# Altium PCB mxiot.PcbDoc (part 3 of 3)
Units mil, origin at the board's own origin, x right, y up, seen from the top; angles counter-clockwise.
Board outline 2300 x 800 mil, 6 copper layers (L1, L2, L3, L4, L5, L6), stack 41.854 mil thick; 97 components, 151 nets, 730 pads, 449 vias.
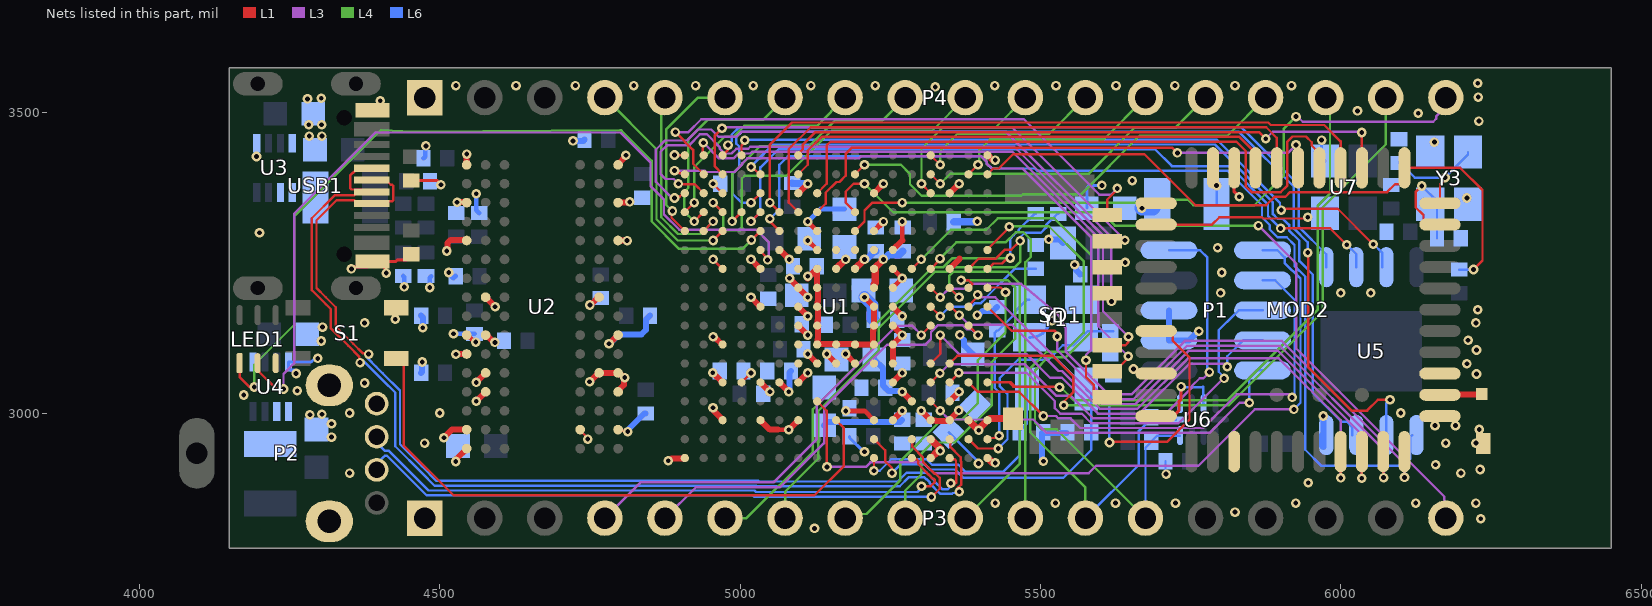
[diagram p7: the nets of this part, all layers, seen from the top]

## Via types
v1: diameter 16, hole 8, L1 to L6, tented both sides, 437 vias
v2: diameter 19.68, hole 7.87, L1 to L6, 12 vias

## Nets (pads, with @x,y where several pads share a name; then routed paths per layer and width w, separated by ;. In a path a pad name is that pad's centre, name@x,y a point inside that pad or via, vN(x,y) a via of type N, cw(c..) or ccw(c..) an arc to the next point about the centre after c; other vN are vias at no path point) (continued)
GND: ANT2.2 C1.1 C2.1 C3.1 C4.1 C5.1 C6.1 C7.1 C8.1 C9.1 C10.1 C11.1 C12.1 C13.1 C14.1 C15.1 C16.1 C17.1 C18.1 C19.1 C20.1 C21.1 C22.1 C23.1 C24.1 C25.1 C26.1 C27.1 C28.1 C29.1 C30.1 C31.1 C32.1 C33.1 C34.1 C35.1 C36.1 C37.1 C38.1 C39.1 C41.1 C42.1 C43.1 C44.1 C45.1 C46.1 C47.1 C48.1 C50.1 C51.1 C52.1 C53.1 C54.1 C60.1 C62.1 C63.1 LED1.3 MOD2.1 MOD2.3 MOD2.20 MOD2.31 MOD2.33 MOD2.36 P1.3 P1.5 P2.4 P2.MH1 P2.MH2 P3.1 P4.1 R1.2 R2.2 R3.1 R4.1 R5.1 R7.1 R8.2 R9.1 R10.1 R11.1 R18.1 S1.3 SD1.6 SD1.10 U1.A1 U1.A17 U1.C3 U1.C7 U1.C11 U1.C15 U1.E8 U1.E11 U1.F6 U1.F7 U1.F8 U1.F9 U1.F10 U1.F11 U1.F12 U1.G3 U1.G5 U1.G7 U1.G12 U1.G15 U1.H7 U1.H12 U1.J5 U1.J7 U1.J12 U1.K7 U1.K12 U1.L3 U1.L7 U1.L12 U1.M7 U1.M8 U1.M9 U1.M10 U1.M11 U1.M12 U1.N3 U1.N5 U1.N7 U1.P15 U1.R3 U1.R5 U1.R7 U1.R11 U1.R16 U1.R17 U1.T14 U1.U1 U1.U14 U1.U17 U2.A9 U2.B1 U2.B3 U2.B9 U2.D1 U2.D8 U2.E1 U2.E2 U2.E8 U2.F9 U2.G1 U2.G8 U2.G9 U2.J2 U2.J8 U2.M1 U2.M9 U2.P1 U2.P9 U2.T1 U2.T9 U3.5 U3.8 U4.5 U4.8 U5.4 U6.1 U6.3 U7.2 USB1.A1-B12 USB1.B1-A12 Y1.2 Y1.4 Y3.2 Y3.4 | length 3409
  L1 w4: U2.B3@4733.99,2972.28 4733.99,2970.74 4746.67,2958.06 v1(4746.67,2956.53) ; U2.J2@4765.49,3189.51 U2.J2@4765.49,3192.75 ; U2.B1@4796.98,2972.28 4798.62,2970.64 4811.36,2970.64 v1(4813,2969) ; U2.G1@4796.98,3128.77 U2.G1@4796.98,3129.76 ; v1(4891,3429.49) 4891.26,3429.23 4907.77,3429.23 U1.A1@4908.03,3428.97 ; v1(4954.66,3067.12) v1(4954.66,3067.12) ; v1(4955.28,3127) 4956.65,3127 v1@4957.11,3126.54 ; v1(4955.28,3255.74) U1.G3@4971.02,3239.99 ; v1(4955.28,3381.72) U1.C3@4971.02,3365.98 ; SD1.6@5611.24,3242.8 5619.26,3250.83 v1(5641.29,3250.83)
  L1 w5: v1(4353,3240) 4355.7,3242.7 4378.76,3242.7 USB1.B1-A12@4388.07,3252.02 USB1.B1-A12@4391.98,3252.02 ; USB1.A1-B12@4388.07,3503.98 4391.69,3503.98 4401,3513.3 v1(4401,3520) ; v1(4411,3233) ccw(c4391.98,3233) USB1.B1-A12@4391.98,3252.02 ; R9.1@4453,3264.32 4443.69,3255 4429.4,3255 4426.42,3252.02 USB1.B1-A12@4391.98,3252.02 ; R11.1@4453,3387.32 4495.69,3387.32 4502,3381 v1(4502,3380) ; v1@5655.22,3073 v1(5654.98,3073.25) 5657.8,3073.25 5672,3059.05 5672,3058.92 5678.78,3065.7 MOD2.31@5692.78,3065.7 ; MOD2.33@5692.78,2994.83 5721.36,2994.83 5730.52,3004 5730.52,3018.92 5733.73,3022.12 5733.73,3043.43 v1(5734.34,3044.04) v1@5734.34,3045.66 ; MOD2.20@5822.7,3408.22 5822.7,3368.3 v1(5831,3360)
  L1 w8: U2.G9@4545.02,3129.76 4546.63,3129.76 4558.39,3118 v1(4560,3118) ; 5063.39,2972.28 v1(5081.26,2972.28) ; v1(5112.76,3287.24) U1.F8@5128.5,3271.49 ; v1(5112.76,3318.73) U1.E8@5128.5,3302.98 ; v1(5176,3003.52) 5207.5,3003.52 U1.R11@5222.99,2988.02 ; U1.H12@5254.49,3208.5 v1(5270.24,3224.24) U1.G12@5254.49,3239.99 ; 5270.24,3287.24 v1(5270.24,3318.73)
  L1 w10: v1(4426,3156) 4426,3173.63 S1.3@4427.69,3175.32 ; v1(4507,2959) 4520.28,2972.28 U2.B9@4545.02,2972.28 ; v1(4511.88,3269.73) 4513.19,3271.05 4513.19,3283.29 4517.9,3288 4544.25,3288 U2.M9@4545.02,3287.24 ; v1(4526.87,2919.28) 4528.02,2920.43 4528.02,2923.78 U2.A9@4545.02,2940.78 ; v1(4527,3098) 4544.76,3098 U2.F9@4545.02,3098.26 ; v1(4529,3351) 4544.24,3351 U2.P9@4545.02,3350.23 ; U2.T9@4545.02,3413.22 v1(4545,3431) ; v1(4560.76,3019.52) U2.D8@4576.51,3035.27 ; v1(4560.76,3051.02) U2.E8@4576.51,3066.76 ; U2.G8@4576.51,3129.76 4578.17,3129.76 4589.14,3118.79 4590.86,3118.79 v1(4592.01,3117.64) ; U2.J8@4576.51,3192.75 v1(4592.26,3177) ; v1(4749.6,3051.98) 4750.15,3051.98 4764.93,3066.76 U2.E2@4765.49,3066.76 U2.E1@4796.98,3066.76 4798.65,3066.76 4806.41,3059 v1(4808,3059) 4806.85,3057.85 4806.85,3046.8 4796.98,3036.93 U2.D1@4796.98,3035.27 ; v1(4750.13,3179.78) 4751.33,3179.78 4764.3,3192.75 U2.J2@4765.49,3192.75 ; v1(4781.92,3115.42) 4782.29,3115.42 4795.64,3128.77 U2.G1@4796.98,3128.77 ; U2.M1@4796.98,3287.24 4797.09,3287.13 4812.01,3287.13 v1(4812.12,3287.02) ; U2.P1@4796.98,3350.23 4797.59,3350.84 4815.84,3350.84 v1(4816.44,3351.44) ; U2.T1@4796.98,3413.22 4796.98,3414.6 4810.1,3427.72 v1(4810.1,3429.1) ; v1(4880.69,2920.7) 4882.31,2920.7 4886.14,2924.53 4907.53,2924.53 U1.U1@4908.03,2925.03 ; v1@4954.79,3067.12 4970.89,3051.02 U1.N3@4971.02,3051.02 ; v1(4955.03,3008.73) 4956.18,3007.58 4956.18,3003.89 4971.02,2989.05 U1.R3@4971.02,2988.02 ; v1@4956.42,3125.85 4958.16,3125.85 4970,3114.01 U1.L3@4971.02,3114.01 ; v1(5018.27,3192.75) U1.J5@5034.02,3177 U1.J5@5032.99,3177 ; v1(5018.27,3255.74) U1.G5@5034.02,3239.99 ; U1.R5@5034.02,2988.02 5049.76,2972.28 5063.39,2972.28 ; U1.N5@5034.02,3051.02 v1(5049.76,3035.27) ; U1.F6@5065.51,3271.49 5065.86,3271.49 5081.65,3255.69 v1(5082,3255.69) ; v1(5081.26,2972.28) U1.R7@5097.01,2988.02 ; v1(5082.51,3224.24) 5082.51,3223.62 5097.01,3209.12 U1.H7@5097.01,3208.5 v1(5112.76,3192.75) ; U1.N7@5097.01,3051.02 v1(5112.76,3066.76) ; U1.K7@5097.01,3145.5 v1(5112.76,3129.76) ; U1.J7@5097.01,3177 v1(5112.76,3161.25) ; U1.C7@5097.01,3365.98 v1(5112.76,3381.72) ; v1(5112.76,3098.26) U1.M8@5128.5,3082.51 ; v1(5144.25,3098.26) U1.M9@5160,3082.51 ; v1(5175.75,3098.26) U1.M10@5191.5,3082.51 ; U1.E11@5222.99,3302.98 v1(5238.74,3318.73) ; U1.C11@5222.99,3365.98 v1(5238.74,3381.72) ; U1.M12@5254.49,3082.51 U1.L12@5254.49,3114.01 v1(5270.24,3129.76) U1.K12@5254.49,3145.5 ; U1.J12@5254.49,3177 v1(5270.24,3161.25) ; U1.F12@5254.49,3271.49 5270.24,3287.24 ; U1.P15@5348.98,3019.52 v1(5364.72,3035.27) ; U1.G15@5348.98,3239.99 5365,3256.02 5365,3257 ; U1.C15@5348.98,3365.98 v1(5364.72,3381.72) ; U1.A17@5411.97,3428.97 5412.99,3428.97 5420.96,3421 v1(5425,3421)
  L1 w12: U1.U14@5317.48,2925.03 5317.96,2925.03 5329.17,2936.23 5332.46,2936.23 v1(5333.23,2937) ; U1.T14@5317.48,2956.53 v1@5333.23,2940.78 ; U1.R16@5380.47,2988.02 v1@5396.22,2972.28 ; v1(5397.3,2971.19) v1@5396.22,2972.28 ; U1.U17@5411.97,2925.03 5412.45,2925.03 5419.72,2917.77 5424.23,2917.77 v1(5425,2917) ; SD1.10@5454.74,2990.83 5415.26,2990.83 5412.45,2988.02 U1.R17@5411.97,2988.02 v1@5396.22,2972.28
  L6 w4: v1@5394.5,3318.5 v1(5395,3319) ; v1@5503,2923 5505,2921 v1(5505,2919.78) ; C21.1@5708.32,2920 5708.32,2899.32 v1(5709.32,2898.32) ; U6.1@5732.47,3015.57 v1@5732.47,3038.47 ; v1@5737,3043 5770,3043 5771,3044 5771.42,3043.58 5771.42,3016 U6.3@5771.84,3015.57
  L6 w5: v1@4261.12,3066 v1(4261,3065.88) 4261,3068.86 4258.07,3071.79 4258.07,3072 4251.93,3072 4248.53,3075.41 U4.8@4248.53,3085.14 4286.14,3085.14 4291,3090 4295.98,3090 v1(4296.98,3091) ; C51.1@5182.32,2961 5182.32,2959.03 5205.83,2935.52 v1(5207.21,2935.52) v1@5207,2935.73 ; C15.1@5347.73,2967.73 5397,2918.46 v1(5397.05,2915.97) v1(5397.05,2915.97) v1@5395.08,2914 ; Y1.2@5481.74,3125.87 5483.87,3125.87 ccw(c5483.87,3158) 5515.75,3154 v1(5519,3154) ccw(c5519,3156) v1@5521,3156 ; C10.1@5577.5,3341 5577.5,3375.5 5581.01,3379 v1(5602.37,3379) ; v1@5967.35,3454.35 v1(5968.13,3454.35) 5968.13,3439.26 5961,3432.13 U7.2@5973.87,3419.26
  L6 w8: R7.1@4439.27,3227.94 4441,3226.21 v1(4441,3210) ; C30.1@4473.32,3424 4476,3426.68 4476,3443.56 v1(4477.08,3444.65) v1@4477.08,3444.92 ; v1(4483.48,3209) 4483.48,3225.16 C39.1@4486,3227.68 ; v1(4515.18,3234) 4515.18,3232.42 4523,3224.61 4526.39,3228 R3.1@4526.7,3227.7 ; v1(4523,3132) R5.1@4557.87,3132 ; v1(4561,3365) 4561,3337.77 R1.2@4566.02,3332.74 ; v1(5112.76,3318.73) 5133.52,3339.5 C3.1@5174,3339.5
  L6 w10: C35.1@4469.32,3067 4471,3068.68 v1(4471,3085) ; C34.1@4469.32,3162 4472,3159.32 v1(4472,3142) ; v1(4722,3453) 4739.31,3453 R4.1@4741.31,3455 ; v1(4781.92,3115.42) 4783.3,3115.42 4798.87,3131 4836,3131 4843.23,3138.23 4843.23,3155.39 C29.1@4850.04,3162.2 ; v1(4813,2969) 4814.15,2970.15 4814.15,2972.51 4841.04,2999.4 C33.1@4843.01,2999.4 ; v1(5366,3130) 5366,3128.38 5372.81,3121.57 5372.81,3112.68 C13.1@5387.5,3098 ; v1(5395,3163) 5396.62,3163 5403.5,3169.87 5421.19,3169.87 C44.1@5428,3176.68 ; v1@5503,2923 5502.68,2923.32 5502.68,2967 C45.1@5543.31,2967 ; v1(5514,3289) 5531.47,3289 C47.1@5537.47,3283 ; v1(5557,3247) 5559.5,3244.5 5559.5,3237.81 C48.1@5566.32,3231 ; P1.5@5714.13,3171 P1.3@5714.13,3121 5747.65,3121 5762.65,3136 v1(5763.9,3136) ; U5.4@5969,2963.24 5969,2945.27 5971,2943.27 v1(5971,2995)
  L6 w12: C60.1@5087,3382.68 5087.48,3382.2 5112.28,3382.2 v1(5112.76,3381.72) ; C62.1@5355.68,3318 5356.18,3318.5 v1@5394.5,3318.5
  other v1: 5124,2808 6233,2824 5824,2835 5425,2850 5525,2850 5625,2850 5725,2850 5925,2850 6125,2850 6225,2850 5946,2884 4350,2900 6200,2900 6232,2906 6158,2914 4475,2950 6175,2950 6225,2950 4320,2960 6230.48,2972.53 6157,2979 6191,2979 4320,2982 4284,2997 4304,2998 4350,3000 4500,3000 6100,3000 4174,3030 4263,3037 4375,3050 6226,3065 6210,3082 6226,3105 4303,3120 6212,3121 4305,3143 4375,3150 6225,3150 6228,3172 5800,3200 6000,3200 6050,3200 5802,3234 5795,3275 4200,3300 6210,3358 5653,3387 4195,3427 6156,3451 4283,3461 4304,3461 4282,3480 4303.51,3479.77 6230,3486 6129,3499 6028,3503 4280,3523 4303,3524 6229,3526 5325,3543 4527,3545 4627,3545 4726,3545 4823,3545 4926,3545 5022,3545 5118,3545 5225,3545 5424,3545 5526,3545 5626,3545 5724,3545 5824,3545 5918,3545 6228,3549
I2C1_SCL/UART4_TX: P3.6 R14.1 U1.G17 | length 855.4
  L1 w4: U1.G17@5411.97,3239.99 5412.54,3239.43 5421.99,3248.88 5436.2,3248.88 5445.31,3258 v1(5450,3258)
  L4 w4: P3.6@4975,2825 5010.8,2825 5121,2935.2 5121,3006 5218,3103 5218,3140.13 5320.87,3243 5338.8,3243 5353.8,3258 v1(5450,3258)
  L6 w4: v1(5450,3258) 5450,3284.2 5450,3290.2 5455.8,3296 5464,3304.2 5464,3305.28 5490.03,3331.32 R14.1@5492,3331.32
I2C1_SDA/UART4_RX: P3.7 R15.1 U1.G16 | length 893.5
  L1 w4: U1.G16@5380.47,3239.99 5397.48,3257 5426.2,3257 5441.2,3272 5451.6,3272 v1(5466.22,3286.62)
  L4 w4: P3.7@5075,2825 5075,2869 5130,2924 5130,3003 5231,3104 5231,3141.81 5324.19,3235 5343.69,3235 5351.69,3243 5457.8,3243 5466.22,3251.42 v1(5466.22,3286.62)
  L6 w4: v1(5466.22,3286.62) 5465.38,3286.62 5463,3289 5474,3300 5500.82,3300 5509.52,3308.7 5509.52,3312.8 5528.03,3331.32 R15.1@5530,3331.32
I2C2_SCL: P3.12 R16.1 U1.F17 U6.10 | length 978.1
  L1 w4: U1.F17@5411.97,3271.49 5411.97,3272.63 5448.2,3308.86 v1(5448.2,3310)
  L4 w4: v1(5448.2,3310) 5449.2,3311 5514,3311 5572,3253 5572,3133.69 5540.31,3102 5510.69,3102 5483,3074.31 5483,2968 5575,2876 P3.12@5575,2825
  L6 w4: P3.12@5575,2825 5664,2914 5664,2970.35 5684.69,2991.03 R16.1@5684.69,2993 5688.69,2989 U6.10@5725.58,2989
I2C2_SDA: P3.13 R17.1 U1.G13 U6.9 | length 1131.8
  L1 w4: U1.G13@5285.98,3239.99 v1(5301.73,3255.74)
  L4 w4: v1(5301.73,3255.74) 5350.99,3305 5410,3305 5429,3324 5523,3324 5585,3262 5585,3135.37 5542.63,3093 5513,3093 5491,3071 5491,2984 5502,2973 5527,2973 5667,2833 5667,2825 P3.13@5675,2825
  L6 w4: P3.13@5675,2825 5675,2942.32 R17.1@5684.69,2952 5684.69,2952.61 5694.5,2962.43 U6.9@5732.47,2962.43
I2S_MCLK: P4.4 U1.E3 | length 369.2
  L1 w4: v1(4955.28,3287.24) U1.E3@4971.02,3302.98
  L4 w4: P4.4@4775,3525 4861,3439 4861,3322.69 4896.45,3287.24 v1(4955.28,3287.24)
I2S_RX: P4.7 U1.D2 | length 361.7
  L1 w4: v1(4923.78,3319) 4923.91,3319 4939.39,3334.48 U1.D2@4939.53,3334.48
  L4 w4: v1@4922,3316.95 4923.78,3318.73 4923.78,3319.22 4923.29,3319.22 4907,3335.51 4907,3368 4914,3375 4914,3456 4946,3488 5038,3488 P4.7@5075,3525
I2S_RX_BCLK: P4.6 U1.E1 | length 303
  L1 w4: v1(4887.4,3336.4) 4886,3335 4886,3325.02 U1.E1@4908.03,3302.98
  L4 w4: v1(4887.4,3336.4) 4877,3346.8 4877,3472 4930,3525 P4.6@4975,3525
I2S_RX_SYNC: P4.5 U1.E2 | length 330.8
  L1 w4: U1.E2@4939.53,3302.98 4955.28,3318.73 v1(4955.28,3319)
  L4 w4: P4.5@4875,3525 4869,3519 4869,3326 4897,3298 4934.54,3298 4955.28,3318.73 v1(4955.28,3319)
I2S_TX: P4.8 U1.D1 | length 380.7
  L1 w4: U1.D1@4908.03,3334.48 v1(4923.78,3350.23)
  L4 w4: v1(4923.78,3350.23) 4924,3350.45 4924,3376 ; 4923.78,3376 4923.78,3409.58 4974.2,3460 4989,3460 5007,3478 5128,3478 P4.8@5175,3525
I2S_TX_BCLK: P4.10 U1.D3 | length 615.4
  L1 w4: v1(4955.28,3350.23) U1.D3@4971.02,3334.48
  L4 w4: v1(4955.28,3350.23) 4955.28,3349.72 4955.78,3349.72 4972,3333.5 4972,3310 4978,3304 5000,3304 5003,3307 5003,3390 5008,3395 5077.31,3395 5152.31,3470 5320,3470 P4.10@5375,3525
I2S_TX_SYNC: P4.9 U1.D4 | length 441.9
  L1 w4: v1(4986.77,3319) 4986.91,3319 5002.39,3334.48 U1.D4@5002.52,3334.48
  L4 w4: v1(4986.77,3319) 4986.77,3397.77 5033,3444 5115,3444 5158,3487 5237,3487 P4.9@5275,3525
JTAG_TCK: P1.4 U1.M14 | length 710
  L1 w4: U1.M14@5317.48,3082.51 5333.23,3098.26 v1(5333.23,3129.76)
  L3 w4: v1(5333.23,3129.76) 5364.72,3098.26 5476.71,3098.26 5516.18,3058.79 5535.89,3058.79 5595.69,2999 5665.05,2999 5748.11,3082.05 5806.78,3082.05 5810.99,3077.84 v1(5810.99,3077)
  L6 w4: v1(5810.99,3077) 5810.99,3094.4 5837.59,3121 P1.4@5869.87,3121
JTAG_TDI: P1.8 U1.N16 | length 826.3
  L1 w4: U1.N16@5380.47,3051.02 5396.22,3035.27 5464.73,3035.27 v1(5505,2995)
  L3 w4: v1(5505,2995) 5525.89,2995 5529.89,2991 5550.33,2991 5566.33,2975 5770.8,2975 5826.8,3031 5914,3031 v1(5919,3026)
  L6 w4: P1.8@5869.87,3221 5890.79,3221 5923.12,3188.67 5923.12,3030.12 v1(5919,3026)
JTAG_TDO: P1.6 U1.N15 | length 707.6
  L1 w4: U1.N15@5348.98,3051.02 5363.97,3066.01 v1(5363.97,3066.94) v1@5363.55,3067.37
  L3 w4: v1(5363.97,3066.94) 5476.83,3066.94 5524,3019.77 5524,3008.2 5533.2,2999 5568.8,2999 5584.8,2983 5729.8,2983 5804.47,3057.68 v1(5805.83,3057.68)
  L6 w4: v1(5805.83,3057.68) 5805.83,3059.78 5796.99,3068.63 5796.99,3137.99 5822.97,3163.97 5823.55,3163.97 5830.58,3171 P1.6@5869.87,3171
JTAG_TMS: P1.2 U1.P14 | length 641.8
  L1 w4: U1.P14@5317.48,3019.52 v1(5333.23,3003.77)
  L3 w4: v1(5333.23,3003.77) 5347.84,2989.16 5488.05,2989.16 5510.21,2967 5781.7,2967 5831.7,3017 v1(5848,3017)
  L6 w4: v1(5848,3017) 5848,3059.03 5859.97,3071 P1.2@5869.87,3071
JTAG_TRST: P1.9 U1.N14 | length 808.5
  L1 w4: U1.N14@5317.48,3051.02 v1(5332.78,3066.31)
  L3 w4: v1(5332.78,3066.31) 5347.41,3080.94 5474.14,3080.94 5526.14,3028.94 5550.17,3028.94 5588.11,2991 5701.1,2991 5752.67,3042.57 5752.67,3045.47 5765.2,3058 5771.4,3058 v1(5781.45,3068.05)
  L6 w4: P1.9@5714.13,3271 5766,3271 5778,3259 5778,3071.5 v1(5781.45,3068.05)
LED_CLK: LED1.2 U1.F5 | length 1377.6
  L1 w4: LED1.2@4197,3083 4197,3071.27 4228.27,3040 v1(4240,3040) ; U1.F5@5034.02,3271.49 5034.02,3269.22 5045.98,3257.25 v1(5045.98,3254.98)
  L3 w4: v1(4240,3040) 4240,3065 4258,3083 4258,3331.91 4393.09,3467 4801,3467 4851,3417 4851,3378 4873.4,3355.6 4873.4,3330.6 4899,3305 5027,3305 5048,3284 5048,3257 v1(5045.98,3254.98)
LED_DAT: LED1.1 U1.E5 | length 1354.3
  L1 w4: LED1.1@4167,3083 4167.5,3082.5 4167.5,3059.4 4183.48,3043.42 v1(4191.27,3043.42) ; v1(5019,3288) U1.E5@5034.02,3302.98
  L4 w4: v1(4191.27,3043.42) 4191.27,3080.27 4258,3147 4258,3327 4400.83,3469.83 cw(c4403.66,3467) 4403.91,3470.99 4456.21,3468.02 ccw(c4457,3482) 4457.12,3468 4800.29,3471 cw(c4800.34,3467) 4803.17,3469.83 4853,3420 4853,3318.8 4898.56,3273.24 5004.24,3273.24 v1(5019,3288)
NetANT2_1: ANT2.1 MOD2.2 | length 69.1
  L1 w10: MOD2.2@6165.22,3030.27 6166.03,3031.08 ANT2.1@6234.03,3031.08
NetC10_2: C10.2 L3.2 MOD2.23 | length 18.6
  L6 w25: v1(5669,3341) L3.2@5687.59,3341
NetC22_2: C22.2 MOD2.11 Y3.3 | length 191
  L1 w4: MOD2.11@6165.22,3349.17 6165.22,3380.52 6173.54,3388.83 v1(6173.54,3392)
  L6 w4: C22.2@6097,3416.31 6098.97,3416.31 6123.28,3392 v1(6173.54,3392) 6211.86,3430.32 Y3.3@6211.86,3434.26
NetC23_2: C23.2 MOD2.10 Y3.1 | length 194.6
  L1 w4: v1(6135,3378) 6124.77,3367.77 6124.77,3342.6 6137.8,3329.57 6137.8,3320.98 6145.05,3313.73 MOD2.10@6165.22,3313.73
  L6 w4: v1(6135,3378) 6160.31,3352.69 C23.2@6160.31,3291
NetL1_1: L1.1 U3.1 U3.2
NetL2_1: L2.1 U4.1 U4.2
NetL3_1: L3.1 MOD2.21 | length 30.6
  L6 w4: L3.1@5793.41,3348 v1(5793.41,3378.59)
NetMOD2_24: MOD2.24 U7.1 | length 259.1
  L1 w4: MOD2.24@5692.78,3313.73 5785.73,3313.73 5798,3326 5868.8,3326 5871.03,3323.77 5942.77,3323.77 v1(5945,3326)
NVCC_PLL_1P1: C16.2 C17.2 U1.P13 | length 108.1
  L1 w10: v1(5270.24,3035.27) U1.P13@5285.98,3019.52
  L6 w10: C17.2@5223.5,3089 5238.18,3074.31 5238.18,3045.5 C16.2@5241.69,3042 5247.27,3036.42 5269.09,3036.42 v1(5270.24,3035.27)
POR: P1.10 U1.P8 | length 1257.9
  L1 w4: U1.P8@5128.5,3019.52 5144.25,3003.77 5144.25,2910.75 v1(5144.73,2910.27)
  L3 w4: v1(5144.73,2910.27) 5209.51,2910.27 5217.07,2917.83 5304.72,2917.83 5322.55,2900 5580.5,2900 5592.81,2912.32 5763.11,2912.32 5856.8,3006 v1(5922,3006)
  L6 w4: P1.10@5869.87,3271 5894.67,3271 5906.65,3259.03 5906.65,3250.04 5933,3223.69 5933,3017 v1(5922,3006)
PWM1/SPDIF_OUT: P4.16 U1.N17 | length 999
  L1 w4: U1.N17@5411.97,3051.02 5448.09,3051.01 5455.1,3044 5458,3044 ; 5451,3051 5458,3044 ; v1(5531.94,3042.94) 5530.89,3044 5458,3044
  L4 w4: v1(5531.94,3042.94) 5534.06,3042.94 5556,3021 5810.69,3021 5962,3172.31 5962,3345.31 5982.13,3365.45 5982.13,3517.87 P4.16@5975,3525
PWM2/SPDIF_IN: P4.17 U1.M15 | length 1175.2
  L1 w4: U1.M15@5348.98,3082.51 5361.87,3095.4 5520.4,3095.4 5555,3060.8 5555,3034.89 5539,3018.89 v1(5539,3013)
  L4 w4: v1(5539,3013) 5814,3013 5970,3169 5970,3342 6075,3447 P4.17@6075,3525
PWM3: P4.18 U1.E10 | length 1157.5
  L1 w4: U1.E10@5191.5,3302.98 5207.24,3318.73 5207.24,3336.96 5220.51,3350.23 v1(5270.24,3350.23)
  L3 w4: v1(5925.5,3493.5) 5928.3,3493.5 5936.8,3485 6154,3485 6158.81,3489.81 6158.81,3493.91 6175,3510.1 P4.18@6175,3525
  L4 w4: v1(5270.24,3350.23) 5658.43,3350.23 5663.2,3355 5745.5,3355 5754.5,3346 5856,3346 5905.5,3395.5 5905.5,3473.5 v1(5925.5,3493.5)
PWM4: P3.18 U1.D10 | length 1379.5
  L1 w4: U1.D10@5191.5,3334.48 5175.75,3350.23 5175.75,3368.44 5178.61,3371.3 5189.02,3381.72 v1(5207.24,3381.72)
  L3 w4: v1(5863,3312) 5926,3249 5926,3154 5926,3107.17 6172.64,2860.53 6172.64,2827.36 P3.18@6175,2825
  L4 w4: v1(5207.24,3381.72) 5207.24,3379.76 5209.21,3379.76 5254.97,3334 5602,3334 5624,3312 v1(5863,3312)
QSPI_D0: U1.A3 U5.5 | length 1185.9
  L1 w4: U1.A3@4971.02,3428.97 4980,3437.94 v1(4980,3446)
  L6 w4: v1(4980,3446) 4986.01,3452.01 4986.01,3463.19 4998.9,3476.08 5834,3476.08 5930,3380.08 5930,3310.42 5976,3264.42 U5.5@5976,3242.76
QSPI_D1: U1.C5 U5.2 | length 1675.5
  L1 w4: v1(5018.27,3350.23) U1.C5@5034.02,3365.98 ; v1(5945.12,3267) 5946.19,3265.93 5946.19,3075.81 6018,3004 6043.88,3004 6061.88,3022 v1(6082,3022)
  L6 w4: v1(5018.27,3350.23) 5002.52,3350.23 4986.77,3365.98 4986.77,3397.47 4998.75,3409.45 4998.75,3443.55 4994.01,3448.28 4994.01,3459.87 5002.22,3468.08 5830.69,3468.08 5922,3376.76 5922,3307.1 5945.12,3283.99 v1(5945.12,3267) ; U5.2@6076,2963.24 6076,3016 v1(6082,3022)
QSPI_D2: U1.B5 U5.3 | length 1397.5
  L1 w4: v1(5018.4,3409.6) 5020.14,3409.6 5032.27,3397.47 U1.B5@5034.02,3397.47
  L6 w4: v1(5018.4,3409.6) 5018.4,3410.4 5055,3447 5790.48,3447 5887,3350.48 5887,3331.2 5895.2,3323 5904.17,3323 5914,3313.17 5914,3303.79 5931.12,3286.67 5931.12,3252.88 5953.35,3230.65 5953.35,3033.59 6001.19,2985.75 6009.94,2985.75 6019,2976.69 U5.3@6019,2963.24
QSPI_D3: U1.A4 U5.7 | length 1198.6
  L1 w4: U1.A4@5002.52,3428.97 5002.52,3445.33 5008.01,3450.83 v1(5008.01,3454.08) ; v1(5901,3337.77) 5903.23,3340 5995,3340 v1(6054,3281)
  L6 w4: v1(5008.01,3454.08) 5008.94,3455 5793.8,3455 5899,3349.8 5899,3339.77 v1(5901,3337.77) ; v1(6054,3281) 6055,3281 6069,3267 U5.7@6069,3242.76
QSPI_SCLK: U1.D5 U5.6 | length 1228.4
  L1 w4: v1(5018.27,3319) 5018.4,3319 5033.88,3334.48 U1.D5@5034.02,3334.48 ; v1(5900,3307.37) 5982.63,3307.37 v1(6010,3280)
  L6 w4: v1(5018.27,3319) 5019.79,3320.52 5020.06,3320.52 5034.02,3334.48 5034.02,3409.02 5064,3439 5690.99,3439 5718.99,3411 5815.17,3411 5879,3347.17 5879,3327.89 5899.51,3307.37 v1(5900,3307.37) ; v1(6010,3280) 6010.21,3280 6026,3264.21 U5.6@6026,3242.76
QSPI_SS: U1.E6 U5.1 | length 1645.3
  L1 w4: v1(5049.76,3323.51) 5049.76,3318.73 U1.E6@5065.51,3302.98
  L6 w4: v1(5049.76,3323.51) 5065.51,3339.26 5065.51,3413.22 5079.51,3427.22 5402.02,3427.22 5410.61,3418.63 5410.61,3415.59 5419.2,3407 5491.12,3407 5495.12,3403 5811.86,3403 5869,3345.86 5869,3325.8 5881.87,3312.93 5881.87,3305.7 5894.88,3292.69 5910.11,3292.69 5923.12,3279.68 5923.12,3244.88 5941,3227 5941,2939 5968,2912 6104,2912 6115.77,2923.77 6115.77,2960.01 U5.1@6119,2963.24
RTC_XTALI: C45.2 U1.T11 Y2.2 | length 540.5
  L1 w4: U1.T11@5222.99,2956.53 5241.6,2937.92 5241.6,2919.69 5253,2908.29 v1(5253,2900)
  L6 w4: v1(5253,2900) 5268,2915 5307.31,2915 5316.31,2906 5358,2906 5372,2892 5538,2892 5584.69,2938.69 C45.2@5584.69,2968 5584.69,3031.53 Y2.2@5576.21,3040
RTC_XTALO: C46.2 U1.U11 Y2.1 | length 407.5
  L1 w4: v1(5222.87,2903.83) 5222.99,2903.95 U1.U11@5222.99,2925.03
  L6 w4: v1(5222.87,2903.83) 5232.54,2903.83 5251.71,2923 5310.63,2923 5319.63,2914 5363.53,2914 5375.56,2901.97 5437.97,2901.97 5465.31,2929.31 C46.2@5465.31,2968 5465.31,2969.97 5477.79,2982.44 Y2.1@5477.79,3040
SD_CLK: SD1.5 U1.C1 | length 1092.9
  L1 w4: v1(4891,3358) 4893.3,3360.3 4899.7,3360.3 4905.39,3365.98 U1.C1@4908.03,3365.98 ; SD1.5@5611.24,3199.49 5618.33,3192.4 v1(5618.33,3185.84)
  L3 w4: v1(4891,3358) 4887,3358 4859.67,3385.33 4859.67,3438.26 4875.01,3453.6 4911.49,3453.6 4929.89,3472 4952.2,3472 4964.2,3460 4994.14,3460 5002.22,3468.08 5442.87,3468.08 5618.33,3292.61 v1(5618.33,3185.84)
SD_CMD: SD1.3 U1.C2 | length 1184.6
  L1 w4: v1@4897.15,3382 v1(4897.5,3381.66) 4898.15,3381 4924.5,3381 U1.C2@4939.53,3365.98 ; SD1.3@5611.24,3112.88 5641.6,3112.88 5646.78,3118.06 v1(5646.78,3127.07)
  L3 w4: v1(4897.5,3381.66) 4889.59,3389.56 4875.87,3389.56 4867.67,3397.76 4867.67,3434.94 4878.33,3445.6 4914.81,3445.6 4933.2,3464 4944.8,3464 4966,3442.8 4966,3440.2 4974.2,3432 4985.8,3432 4993.87,3440.08 5013.81,3440.08 5016.96,3443.22 5456.41,3443.22 5604.33,3295.3 5604.33,3169.52 v1(5646.78,3127.07)
SD_DAT0: SD1.7 U1.B3 | length 866.5
  L1 w4: v1(4970,3474) 4958.13,3462.13 4958.13,3410.36 U1.B3@4971.02,3397.47 ; SD1.7@5611.24,3286.11 5612.84,3287.71 v1(5640.68,3287.71)
  L3 w4: v1(4970,3474) 4972.08,3476.08 5452.31,3476.08 v1(5640.68,3287.71)
SD_DAT1: SD1.8 U1.B2 | length 942.2
  L1 w4: v1(4892.4,3467.6) 4922,3438.01 4922,3415 U1.B2@4939.53,3397.47 ; SD1.8@5611.24,3329.41 5611.24,3355.24 5628,3372 v1(5628,3374)
  L3 w4: v1(4892.4,3467.6) 4914.18,3467.6 4935.57,3489 5472.57,3489 5598.29,3363.29 5617.29,3363.29 v1(5628,3374)
SD_DAT2: SD1.1 U1.B1 | length 1075.3
  L1 w4: v1(4891,3403.56) 4894.25,3403.56 4898.46,3399.34 4906.16,3399.34 U1.B1@4908.03,3397.47 ; v1(5576,3088) 5576,3059.9 5588.63,3047.27 5588.63,3036.07 5598.44,3026.26 SD1.1@5611.24,3026.26
  L3 w4: v1(4891,3403.56) 4941.24,3403.56 4943.55,3401.25 4990.55,3401.25 5004,3414.7 5004,3415.8 5012.28,3424.08 5198.3,3424.08 5201.45,3427.22 5402.02,3427.22 5410.61,3418.63 5410.61,3415.59 5419.2,3407 5470,3407 5585,3292 5585,3106 5576,3097 v1(5576,3088)
SD_DAT3: SD1.2 U1.A2 | length 1019.1
  L1 w4: v1(4939,3450) 4938.3,3449.3 4938.3,3430.19 U1.A2@4939.53,3428.97 ; SD1.2@5611.24,3069.57 5624.03,3069.57 5646.33,3091.87 v1(5646.33,3094.58)
  L3 w4: v1(4939,3450) 4965,3424 4989.11,3424 4997.19,3432.08 5017.13,3432.08 5020.27,3435.22 5453.09,3435.22 5596.33,3291.99 5596.33,3144.59 v1(5646.33,3094.58)
SDHC2_CLK: MOD2.17 U1.D8 | length 882.7
  L1 w4: U1.D8@5128.5,3334.48 5142.52,3348.49 5142.52,3366.72 5160.38,3384.58 5165.34,3384.58 5175.75,3394.99 5175.75,3431.45 5186.16,3441.86 5718.98,3441.86 5727.84,3433 v1(5728.1,3433)
  L3 w4: v1(5728.1,3433) 5912.1,3433 v1(5925.5,3446.4)
SDHC2_CMD: MOD2.16 U1.C8 | length 1098.1
  L1 w4: U1.C8@5128.5,3365.98 5144.25,3381.72 5144.25,3445.25 5150.71,3451.71 5826.22,3451.71 5842,3435.93 5842,3377.34 5851.57,3367.77 5900.13,3367.77 5911.28,3378.93 5911.28,3451.99 5919.7,3460.4 5942.28,3460.4 5951.86,3450.83 5951.86,3445.4 5964.43,3432.83 MOD2.16@5964.43,3408.22
SDHC2_DATA0: MOD2.18 U1.D7 | length 995.9
  L1 w4: U1.D7@5097.01,3334.48 5081.26,3350.23 5081.26,3439.26 5117.71,3475.71 5875.99,3475.71 5893.57,3458.13 MOD2.18@5893.57,3408.22
SDHC2_DATA1: MOD2.19 U1.B7 | length 836.4
  L1 w4: U1.B7@5097.01,3397.47 5112.76,3413.22 5112.76,3436.76 5135.71,3459.71 5831.25,3459.71 5858.13,3432.83 MOD2.19@5858.13,3408.22
SDHC2_DATA2: MOD2.14 U1.A7 | length 1028.8
  L1 w4: U1.A7@5097.01,3428.97 5097.01,3431.61 5104.76,3439.36 5104.76,3446.76 5125.71,3467.71 5864.19,3467.71 v1(5875.25,3456.65) ; v1(6035,3467) 6035,3408.52 MOD2.14@6035.3,3408.22
  L3 w4: v1(5875.25,3456.65) 5886.96,3468.35 6033.65,3468.35 v1(6035,3467)
SDHC2_DATA3: MOD2.15 U1.D6 | length 1141.2
  L1 w4: U1.D6@5065.51,3334.48 v1(5049.76,3350.23) 5049.76,3446.76 5086.71,3483.71 5879.3,3483.71 5883.51,3479.5 5972.5,3479.5 5999.87,3452.13 MOD2.15@5999.87,3408.22
SDIO_VSEL: MOD2.29 R18.2 | length 406.1
  L1 w4: v1(5615,2951) 5616,2952 5711,2952 5748.34,2989.34 5748.34,3092.58 5720.2,3120.72 5720.2,3129.32 5712.95,3136.57 MOD2.29@5692.78,3136.57
  L6 w4: v1(5615,2951) 5615,3017.32 R18.2@5621,3023.32
SPI_MISO: P4.13 U1.B16 | length 360.2
  L1 w4: U1.B16@5380.47,3397.47 v1(5396.22,3413.22)
  L4 w4: v1(5396.22,3413.22) 5398,3415 5398,3437 5416,3455 5605,3455 P4.13@5675,3525
SPI_MOSI: P4.12 U1.A14 | length 323.8
  L1 w4: U1.A14@5317.48,3428.97 v1(5333.23,3413.22)
  L4 w4: v1(5333.23,3413.22) 5333.23,3436.23 5362,3465 5515,3465 P4.12@5575,3525
SPI_SCK: P4.11 U1.C14 | length 288.6
  L1 w4: v1(5302.07,3381.65) 5302.07,3381.38 U1.C14@5317.48,3365.98
  L4 w4: v1(5302.07,3381.65) 5302.07,3440.07 5337,3475 5425,3475 P4.11@5475,3525
SPI_SS0: P4.14 U1.B14 | length 523.4
  L1 w4: U1.B14@5317.48,3397.47 v1(5333.23,3381.72)
  L4 w4: v1(5333.23,3381.72) 5349.5,3398 5580,3398 5658,3476 5726,3476 P4.14@5775,3525
SPI_SS1: P4.15 U1.B10 | length 789.2
  L1 w4: U1.B10@5191.5,3397.47 v1(5207.24,3413.22)
  L4 w4: v1(5207.24,3413.22) 5267.78,3413.22 5283,3398 5283,3380.93 5302.43,3361.5 5468.3,3361.5 5470.8,3364 5567.57,3364 5665.57,3462 5812,3462 P4.15@5875,3525
SWITCH: S1.1 U1.R9 | length 1019.7
  L1 w4: S1.1@4427.69,3090.68 4429.2,3090.68 4440,3079.88 4440,2946 4523,2863 5124,2863 5173,2912 5173,2975.02 U1.R9@5160,2988.02
UART1_RTS: R10.2 U1.J14 | length 214.4
  L1 w4: U1.J14@5317.48,3177 v1(5333.23,3161.25)
  L6 w4: v1(5333.23,3161.25) 5348.98,3177 5385.37,3177 5391.27,3182.89 5401.14,3182.89 5408.22,3189.97 5408.22,3190.98 5457.55,3240.32 R10.2@5492,3240.32
UART1_RX: P3.5 U1.K16 | length 725.9
  L1 w4: U1.K16@5380.47,3145.5 v1(5396.22,3129.76)
  L3 w4: P3.5@4875,2825 4926.53,2876.53 5066.53,2876.53 5140,2950 5140,3009 5245,3114 5309,3114 5318,3123 5318,3135 5329,3146 5370.69,3146 5377.69,3139 5385.67,3139 5394.91,3129.76 v1(5396.22,3129.76)
  L4 w4: v1(5396.22,3129.76) v1@5397,3128.98
UART1_TX: P3.4 U1.K14 | length 721
  L1 w4: v1(5301.73,3129.76) U1.K14@5317.48,3145.5
  L3 w4: P3.4@4775,2825 4834.53,2884.53 5055.53,2884.53 5128,2957 5128,3013 5260,3145 5287,3145 5301.73,3130.27 v1(5301.73,3129.76)
UART2_CTS: MOD2.41 U1.J15 | length 938.7
  L1 w4: U1.J15@5348.98,3177 5351,3177 v1(5365,3163) ; MOD2.41@5999.87,2935.78 5999.87,2892.13 v1(6000,2892)
  L3 w4: v1(5365,3163) 5381,3147 5453,3147 5530,3070 5536,3070 5599,3007 5661.74,3007 5745.74,3091 5896.92,3091 6000,2987.92 v1(6000,2892)
UART2_RTS: MOD2.44 U1.H14 | length 1092.4
  L1 w4: U1.H14@5317.48,3208.5 v1(5333.23,3192.75) ; v1(6106.17,2892.79) MOD2.44@6106.17,2935.78
  L3 w4: v1(5333.23,3192.75) 5347.23,3206.75 5377.69,3206.75 5385.94,3215 5468.1,3215 5472.04,3211.06 cw(c5472,3207.06) 5474.61,3210.09 5528.04,3164.69 cw(c5519,3154) 5531.15,3160.95 5541.45,3143.08 cw(c5538,3141.06) 5542,3141.12 5542,3102.2 5613.2,3031 5651.8,3031 5740.8,3120 5901.86,3120 6106.17,2915.69 v1(6106.17,2892.79)
UART2_RX: MOD2.42 U1.J16 | length 953.5
  L1 w4: U1.J16@5380.47,3177 5380.47,3178.64 5394.58,3192.75 5394.58,3194.38 5395.5,3195.3 v1(5395.5,3197.06) ; v1(6034.98,2891.38) 6035.3,2891.7 MOD2.42@6035.3,2935.78
  L3 w4: v1(5395.5,3197.06) 5395.5,3196.77 5399.52,3192.75 5424.57,3192.75 5602.31,3015 5658.43,3015 5747.43,3104 5895.23,3104 6034.98,2964.25 v1(6034.98,2891.38)
UART2_TX: MOD2.43 U1.J17 | length 937.3
  L1 w4: U1.J17@5411.97,3177 5451.97,3137 5524,3137 5527.47,3130.99 v1(5528,3127.49) ; MOD2.43@6070.73,2935.78 6070.73,2893.27 v1(6071.43,2892.58)
  L3 w4: v1(5528,3127.49) 5528.06,3106.47 ccw(c5532.06,3106.48) 5529.21,3103.67 5609.89,3023 5655.11,3023 5744.11,3112 5898.54,3112 6071.43,2939.12 v1(6071.43,2892.58)
UART3_CTS: P3.10 U1.H15 | length 621.3
  L1 w4: U1.H15@5348.98,3208.5 v1(5364.72,3192.75)
  L4 w4: v1(5364.72,3192.75) 5348,3209.47 5348,3228 5355,3235 5446,3235 5466,3215 5466,2916 P3.10@5375,2825
UART3_RTS: P3.11 U1.G14 | length 665.4
  L1 w4: U1.G14@5317.48,3239.99 5333,3255.51 v1(5333,3257)
  L4 w4: v1(5333,3257) 5360,3284 5442,3284 5459,3301 5472,3301 5484,3289 5484,3260 5475,3251 P3.11@5475,2825
UART3_RX: P3.9 U1.H16 | length 606.7
  L1 w4: v1(5368,3221) 5380.54,3221 5386.76,3214.78 U1.H16@5380.47,3208.5
  L4 w4: P3.9@5275,2825 5275,2871 5302,2898 5302,2932.69 5320.31,2951 5357.31,2951 5419,3012.69 5419,3084.69 5458,3123.69 5458,3208.98 5445.98,3221 v1(5368,3221)
UART3_TX: P3.8 U1.H17 | length 556.3
  L1 w4: U1.H17@5411.97,3208.5 5412.52,3209.05 5433.95,3209.05 v1(5442,3201)
  L4 w4: P3.8@5175,2825 5181.84,2831.84 5210.53,2831.84 5267,2888.31 5267,2920.31 5336.46,2989.77 5369.42,2989.77 5396,3016.35 5396,3087.94 5442,3133.94 v1(5442,3201)
USB_n: P2.2 U1.T13 | length 1089.7
  L1 w4: U1.T13@5285.98,2956.53 5286.81,2955.7 5286.81,2944.01 5304.59,2926.23 5304.59,2918.41 5314.01,2908.99 5322.01,2900.99 5323.97,2899.03 5325.4,2899.03 5332.43,2892 5332.43,2873.99 v1(5318.66,2860.23)
  L6 w4: P2.2@4395,2905.44 4395,2915.01 4406.53,2926.54 4406.53,2926.66 4408.87,2929 4412.19,2929 4478.19,2863 5020.8,2863 5023.27,2860.53 5318.36,2860.53 v1(5318.66,2860.23)
USB_OTG_n: U1.T15 USB1.A7 USB1.B7 | length 1748.5
  L1 w4: v1(4367.51,3084.01) 4365.85,3085.66 4365.85,3094.15 4348.06,3111.94 4327.5,3132.5 4319,3141 4319,3172.69 4310.34,3181.34 4287,3204.69 4287,3324.31 4325,3362.31 4357.61,3362.31 4363.45,3368.16 USB1.A7@4387.07,3368.16 4383.17,3372.06 4353.34,3372.06 4351,3374.41 4351,3395.69 4355.06,3399.75 4355.67,3399.75 4363.45,3407.53 USB1.B7@4387.07,3407.53 ; U1.T15@5348.98,2956.53 5349.8,2955.7 5349.8,2944.01 5367.58,2926.23 5367.58,2919.69 5368,2919.28 5368,2880.69 5362.31,2875 5362.31,2874.93 5364.9,2872.35 v1(5364.9,2869.1)
  L6 w4: v1(4367.51,3084.01) 4370.75,3084.01 4373.25,3086.5 4373.5,3086.5 4386.42,3073.58 4405,3055 4426,3034 4426,2944.69 4470.34,2900.34 4491.69,2879 5027.43,2879 5028.43,2878 5266,2878 5280.76,2892.76 5306.92,2892.76 5309.69,2890 5310.16,2890 5316,2884.16 5316,2882.69 5331.36,2867.33 5333.34,2865.34 5352.66,2865.34 5354.12,2866.8 5362.6,2866.8 v1(5364.9,2869.1)
USB_OTG_p: U1.U15 USB1.A6 USB1.B6 | length 1669.7
  L1 w4: v1(4381.65,3098.15) 4379.99,3099.81 4371.51,3099.81 4356.06,3115.25 4327,3144.31 4327,3176 4310.34,3192.66 4295,3208 4295,3321 4328.31,3354.31 4357.61,3354.31 4363.45,3348.47 USB1.B6@4387.07,3348.47 4390.98,3352.38 4420.66,3352.38 4423,3354.72 4423,3378 4420.94,3380.06 4418.47,3380.06 4410.69,3387.84 USB1.A6@4387.07,3387.84 ; U1.U15@5348.98,2925.03 5350.85,2923.16 5357.14,2923.16 5359.58,2920.72 5359.58,2916.38 5360,2915.96 5360,2884 v1@5356.66,2880.66
  L6 w4: v1(4381.65,3098.15) 4381.65,3094.9 4379.16,3092.41 4379.16,3092.16 4381.5,3089.81 4394.42,3076.89 4405,3066.31 4434,3037.31 4434,2948 4470.34,2911.66 4495,2887 5030.74,2887 5031.74,2886 5262.69,2886 5277.45,2900.76 5310.24,2900.76 5313,2898 5313.48,2898 5324,2887.48 5324,2886 5336.66,2873.34 5346.12,2873.34 5348.46,2875.69 5348.46,2880.95 v1(5350.76,2883.24)
USB_p: P2.3 U1.U13 | length 1042
  L1 w4: U1.U13@5285.98,2925.03 5287.86,2923.16 5294.15,2923.16 5296.59,2920.72 5296.59,2915.1 5316.36,2895.33 5320.66,2891.03 5322.08,2891.03 5324.43,2888.68 5324.43,2885.37 5317.23,2878.18 v1(5302.19,2878.18)
  L6 w4: P2.3@4395,2960.56 4395,2950.99 4406.53,2939.46 4406.53,2939.34 4408.87,2937 4415.5,2937 4481.5,2871 5024.11,2871 5026.59,2868.53 5295.35,2868.53 5302.19,2875.36 v1(5302.19,2878.18)
VDD_ARM: C1.2 C2.2 C3.2 U1.G9 U1.G10 U1.G11 U1.H11 | length 162.4
  L1 w12: U1.G9@5160,3239.99 v1(5175.75,3255.74) ; U1.G10@5191.5,3239.99 v1(5207.24,3255.74) ; U1.H11@5222.99,3208.5 5223.33,3208.84 5223.33,3214.88 5225.24,3216.79 5225.24,3237.26 5222.99,3239.51 U1.G11@5222.99,3239.99 v1(5238.74,3255.74)
  L6 w12: v1(5207.24,3255.74) 5208.01,3256.51 5211.22,3256.51 5224.03,3269.31 C1.2@5226,3269.31 ; v1(5238.74,3255.74) 5239.82,3255.74 5247.59,3263.5 5265.19,3263.5 C2.2@5271,3269.31
VDD_HIGH_CAP: C14.2 C15.2 C28.2 U1.N6 U1.R14 U1.R15 | length 136
  L1 w10: U1.N6@5065.51,3051.02 v1(5081.26,3035.27) ; v1(5301.73,3003.77) U1.R14@5317.48,2988.02 5318.2,2987.3 5325.66,2987.3 5326.19,2986.77 5346.7,2986.77 5347.95,2988.02 U1.R15@5348.98,2988.02 5348.98,2988.57 5364.27,3003.86 v1(5364.27,3004.42)
  L6 w10: v1(5081.26,3035.27) 5082.41,3036.42 5082.41,3067.72 C14.2@5084.69,3070
VDD_SNVS_CAP: C19.2 U1.N12 | length 22.3
  L1 w10: U1.N12@5254.49,3051.02 v1(5270.24,3066.76)
VDD_SOC: C8.2 C9.2 C11.2 U1.G8 U1.H8 U1.J8 U1.J11 U1.K8 U1.K11 U1.L8 U1.L9 U1.L10 U1.L11 | length 398
  L1 w10: v1@5112.76,3224.24 U1.G8@5128.5,3239.99 ; v1(5112.76,3227.69) 5113.9,3228.83 5116.32,3228.83 5127.48,3239.99 U1.G8@5128.5,3239.99 ; U1.L8@5128.5,3114.01 U1.L8@5129.23,3114.73 ; v1(5207.24,3192.75) U1.J11@5222.99,3177 U1.K11@5222.99,3145.5 5222.27,3144.78 5222.27,3137.33 5221.74,3136.8 5221.74,3116.28 5222.99,3115.03 U1.L11@5222.99,3114.01 5190.47,3114.01 5189.22,3115.26 5168.71,3115.26 5168.18,3114.73 5159.7,3114.73 5158.98,3114.01 5157.73,3115.26 5137.21,3115.26 5136.68,3114.73 U1.L8@5129.23,3114.73 ; U1.G8@5128.5,3239.99 U1.H8@5128.5,3208.5 5128.5,3207.47 5129.76,3206.22 5129.76,3185.71 5129.23,3185.18 5129.23,3176.7 5128.5,3175.98 5129.76,3174.73 5129.76,3154.21 5129.23,3153.68 5129.23,3145.2 5128.5,3144.48 5129.76,3143.23 5129.76,3122.71 5129.23,3122.19 U1.L8@5129.23,3114.73
  L6 w20: v1(5207.24,3192.75) 5220.5,3179.49 5220.5,3156.81 C8.2@5222.31,3155
VDD_USB_CAP: C52.2 C53.2 U1.R12 | length 156.1
  L1 w10: U1.R12@5254.49,2988.02 v1(5270.24,3003.77)
  L6 w10: C53.2@5140,2979.5 5145.72,2985.22 5266.54,2985.22 C52.2@5270,2988.69
WL_REG_ON: MOD2.12 R13.1 U1.B17 | length 1088.5
  L1 w4: U1.B17@5411.97,3397.47 5421.5,3407 5430.8,3407 5454.8,3431 5673,3431 5758,3346 5875.89,3346 5889.66,3359.77 5907.77,3359.77 5915.77,3367.77 6077.29,3367.77 6090.32,3380.8 6098.92,3380.8 6106.17,3388.05 MOD2.12@6106.17,3408.22 6198.78,3408.22 6236,3371 6236,3254 v1(6221,3239)
  L6 w4: R13.1@6197,3238.68 6220.69,3238.68 v1(6221,3239)
XTALI: C43.2 U1.T16 Y1.1 | length 406.1
  L1 w4: U1.T16@5380.47,2956.53 5396,2941 v1(5430,2941)
  L6 w4: v1(5430,2941) 5445.35,2956.35 5445.35,3031.96 5432.1,3045.2 5432.1,3057.92 5463.18,3089 5513.42,3089 5537.14,3112.72 5555.21,3112.72 5578.8,3136.31 C43.2@5621,3136.31
XTALO: C44.2 U1.T17 Y1.3 | length 278.8
  L1 w4: U1.T17@5411.97,2956.53 5413.84,2958.4 5424.35,2958.4 5428.1,2962.15 v1(5431.35,2962.15)
  L6 w4: v1(5431.35,2962.15) 5431.35,3034.64 5424.1,3041.89 5424.1,3133.42 C44.2@5428,3137.31 5429.97,3137.31 5456.18,3163.53 5456.18,3167.24 5477.8,3188.86 Y1.3@5481.74,3188.86
ZQPAD: R2.1 U1.N4 | length 22.1
  L1 w4: U1.N4@5002.57,3051.02 v1(5018.2,3066.6)
pads on no net: LED1.5 LED1.6 MOD2.4 MOD2.5 MOD2.7 MOD2.8 MOD2.13 MOD2.25 MOD2.26 MOD2.27 MOD2.28 MOD2.30 MOD2.32 MOD2.35 MOD2.37 MOD2.38 MOD2.39 MOD2.40 MOD2.45 MOD2.46 MOD2.47 P1.7 P2.MH3 S1.2 S1.4 SD1.9 SD1.G1 SD1.G2 U1.A5 U1.A6 U1.A8 U1.A9 U1.A10 U1.A11 U1.A12 U1.A13 U1.A15 U1.A16 U1.B4 U1.B6 U1.B8 U1.B9 U1.B11 U1.B12 U1.B13 U1.B15 U1.C6 U1.C9 U1.C10 U1.C12 U1.C13 U1.C17 U1.D9 U1.D11 U1.D12 U1.D13 U1.D14 U1.D15 U1.D16 U1.D17 U1.E4 U1.E9 U1.E12 U1.E14 U1.E15 U1.E16 U1.E17 U1.F2 U1.F3 U1.F14 U1.F15 U1.F16 U1.K13 U1.K15 U1.K17 U1.L14 U1.L15 U1.L16 U1.M16 U1.M17 U1.N8 U1.N9 U1.N10 U1.N11 U1.P9 U1.P10 U1.P11 U1.P16 U1.P17 U1.R6 U1.R8 U1.R10 U1.R13 U1.T9 U1.T10 U1.U9 U1.U10 U1.U16 U5.9 U6.2 U7.3 USB1.A8 USB1.B8 USB1.MH
copper on no net:
  other v2: 5991.94,3063.63 6031.31,3063.63 6070.69,3063.63 6110.06,3063.63 5991.94,3103 6031.31,3103 6070.69,3103 6110.06,3103 5991.94,3142.37 6031.31,3142.37 6070.69,3142.37 6110.06,3142.37

## Polygon pours and split planes (outlines as drawn)
GND on L1 "GND" (solid, remove dead copper, pour order 0): 4150,3575 6243,3575 6243,2775 4150,2775
GND on L3 "GND" (solid, remove dead copper, pour order 2): 4149,3575 6242,3575 6242,2777 4149,2777
GND on L4 "GND" (solid, remove dead copper, pour order 3): 4148,3576 6243,3576 6243,2778 4149,2778
GND on L6 "GND" (solid, remove dead copper, pour order 1): 4150,3575 6242,3575 6242,2775 4150,2775
GND on L2 (split plane): 6244,2795.1 4170.1,2795.1 4170.1,3554.9 6244,3554.9
3V3 on L5 (split plane): 6243,2795.1 4620.55,2795.1 4620.55,2833 4620.35,2833.98 4619.8,2834.8 4590.8,2863.8 4589.98,2864.36 4589,2864.55 4487.06,2864.55 4473.8,2877.8 4472.98,2878.36 4472,2878.55 4275.06,2878.55 4263.55,2890.06 4263.55,3150.94 4297.57,3184.96 4447.14,3184.96 4447.45,3184.66 4447.45,2971 4447.65,2970.02 4448.2,2969.2 4515.2,2902.2 4516.02,2901.64 4517,2901.45 4616.94,2901.45 4654.2,2864.2 4655.02,2863.64 4656,2863.45 5061,2863.45 5061.98,2863.64 5062.8,2864.2 5165.3,2966.7 5165.85,2967.52 5166.05,2968.5 5166.05,2979.35 5195.2,2950.2 5196.02,2949.64 5197,2949.45 5349,2949.45 5349.98,2949.64 5350.8,2950.2 5390.8,2990.2 5391.35,2991.02 5391.55,2992 5391.55,3008 5391.35,3008.98 5390.8,3009.8 5376.8,3023.8 5375.98,3024.36 5375,3024.55 5292,3024.55 5291.02,3024.36 5290.2,3023.8 5271.2,3004.8 5256.94,2990.55 5220.06,2990.55 5201.1,3009.5 5208.8,3017.2 5209.35,3018.02 5209.55,3019 5209.55,3211 5209.35,3211.98 5208.8,3212.8 5154.8,3266.8 5153.98,3267.36 5153,3267.55 4986.06,3267.55 4780.8,3472.8 4779.98,3473.36 4779,3473.55 4622.55,3473.55 4622.55,3554.9 6243,3554.9
5V on L5 (split plane): 4617.45,3473.55 4323,3473.55 4322.02,3473.36 4321.2,3472.8 4314.8,3466.4 4314.24,3465.57 4314.05,3464.6 4314.05,3317 4314.24,3316.02 4314.8,3315.2 4315.62,3314.64 4316.6,3314.45 4317.48,3314.63 4442.04,3190.06 4296.51,3190.06 4295.54,3189.87 4294.71,3189.32 4259.2,3153.8 4258.65,3152.98 4258.45,3152 4258.45,2889 4258.65,2888.02 4259.2,2887.2 4272.2,2874.2 4273.02,2873.64 4274,2873.45 4470.94,2873.45 4484.2,2860.2 4485.02,2859.64 4486,2859.45 4587.94,2859.45 4615.45,2831.94 4615.45,2795.1 4170.1,2795.1 4170.1,3554.9 4617.45,3554.9
1V35 on L5 (split plane): 4983.2,3263.2 4984.02,3262.64 4985,3262.45 5151.94,3262.45 5204.45,3209.94 5204.45,3020.06 5197.5,3013.1 5152.8,3057.8 5151.98,3058.36 5151,3058.55 5064,3058.55 5063.02,3058.36 5062.2,3057.8 5056.2,3051.8 5055.65,3050.98 5055.45,3050 5055.45,3028 5055.65,3027.02 5056.2,3026.2 5065.2,3017.2 5066.02,3016.64 5067,3016.45 5128.94,3016.45 5160.95,2984.44 5160.95,2969.56 5059.94,2868.55 4657.06,2868.55 4619.8,2905.8 4618.98,2906.36 4618,2906.55 4518.06,2906.55 4452.55,2972.06 4452.55,3185.11 4452.78,3185.16 4453.6,3185.71 4454.16,3186.54 4454.35,3187.51 4454.16,3188.49 4453.6,3189.32 4452.78,3189.87 4451.8,3190.06 4449.25,3190.06 4320.51,3318.8 4319.69,3319.36 4319.15,3319.46 4319.15,3463.54 4324.06,3468.45 4617.56,3468.45 4617.65,3468.02 4618.2,3467.2 4619.02,3466.64 4620,3466.45 4620.98,3466.64 4621.8,3467.2 4622.35,3468.02 4622.44,3468.45 4777.94,3468.45
VDD_HIGH_CAP on L5 (split plane): 5194.46,3008.93 5194.65,3008.02 5195.2,3007.2 5196.02,3006.64 5196.93,3006.46 5217.2,2986.2 5218.02,2985.64 5219,2985.45 5258,2985.45 5258.98,2985.64 5259.8,2986.2 5274.8,3001.2 5293.06,3019.45 5373.94,3019.45 5386.45,3006.94 5386.45,2993.06 5347.94,2954.55 5198.06,2954.55 5131.8,3020.8 5130.98,3021.36 5130,3021.55 5068.06,3021.55 5060.55,3029.06 5060.55,3048.94 5065.06,3053.45 5149.94,3053.45

## Keep-outs
Keep-Out Layer:
  the board outline again, w2

## Other copper
L1:
  pour cut-out: 6244,3057 6139,3057 ccw(c6139,3033) 6115,3033 6115,3029 ccw(c6139,3029) 6139,3005 6244,3005
  pour cut-out: 4532,3445 4814.85,3445 5004,3255.85 5004,3106 5084,3026 5095,3026 5143,2978 5143,2909 5096,2862 5094,2864 4612,2864 4537,2939
  pour cut-out: 4532,3445 4814.85,3445 5004,3255.85 5004,3106 5084,3026 5095,3026 5143,2978 5143,2909 5096,2862 5094,2864 4612,2864 4537,2939
L3:
  pour cut-out: 4533,3438 4815.85,3438 5005,3248.85 5005,3099 5085,3019 5096,3019 5144,2971 5144,2902 5097,2855 5095,2857 4613,2857 4538,2932
L4:
  pour cut-out: 4532,3445 4814.85,3445 5004,3255.85 5004,3117 5095,3026 5143,2978 5143,2909 5096,2862 5094,2864 4612,2864 4537,2939
L6:
  rectangle net 5V: 4169,3112 4198,3143
  rectangle net VDD_ARM: 5157,3256.51 5281,3281
  rectangle net 5V: 4204,3070 4234,3114
  rectangle net NetL2_1: 4223,2948 4255,3018
  rectangle net NetL1_1: 4229,3316 4273,3402
  pour cut-out: 4532,3445 4814.85,3445 5004,3255.85 5004,3106 5084,3026 5095,3026 5143,2978 5143,2909 5096,2862 5094,2864 4612,2864 4537,2939
  region net 3V3: 4261,2828 4261,2848 4313,2900 4306,2900 4276,2930 4271,2925 4271,2909 4258,2896 4257,2897 4201,2897 4175,2871
  region net 1V35: 4371,3316 4335.69,3351.31 4335.69,3420.8 4338.8,3420.8 4375,3457 4414,3418 4414,3401
  region net 5V: 4240,3434 4240,3474 4240,3517 4193,3517 4193,3474 4209,3474 4209,3434
  region net GND: 4249,3464 4303,3518 4309,3518 4312,3515 4312,3419 4264,3419 4249,3434
L2 (plane layer: these items are gaps in the copper):
  rectangle: 6244,2774 6450,3575
L5 (plane layer: these items are gaps in the copper):
  rectangle: 6243,2779 6450,3575
  lines w5: 4316.6,3317 4316.6,3464.6 4323,3471 4779,3471 4985,3265 5153,3265 5207,3211 5207,3019 5197,3009 ; 4318.71,3317 4450,3185.71 4450,2971 4517,2904 4618,2904 4656,2866 5061,2866 5163.5,2968.5 5163.5,2985.5 ; 4451.8,3187.51 4296.51,3187.51 4261,3152 4261,2889 4274,2876 4472,2876 4486,2862 4589,2862 4618,2833 4618,2775 ; 4620,3469 4620,3574 ; 5058,3028 5067,3019 5130,3019 5197,2952 5349,2952 5389,2992 5389,3008 5375,3022 5292,3022 5273,3003 5258,2988 5219,2988 5151,3056 5064,3056 5058,3050 5058,3028

## Text inside footprints (layer, text, board x,y; h text height)
P1: Bottom Overlay "9" at 5747,3326.91 h39.37 r270; Bottom Overlay "1" at 5747,3008.01 h39.37 r270